# KiCad board DFTBoard.kicad_pcb
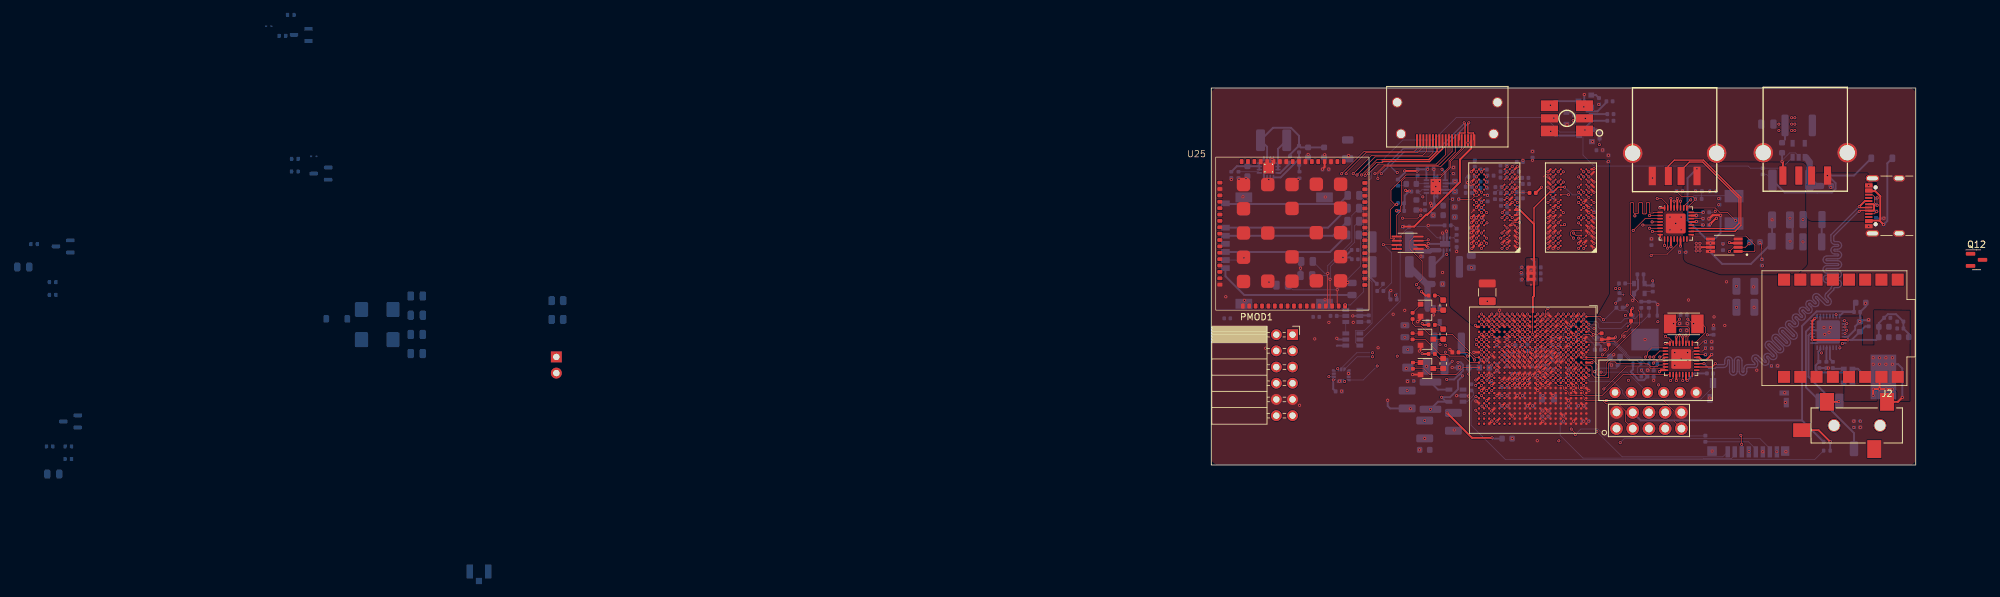
[diagram p0: board, top side]
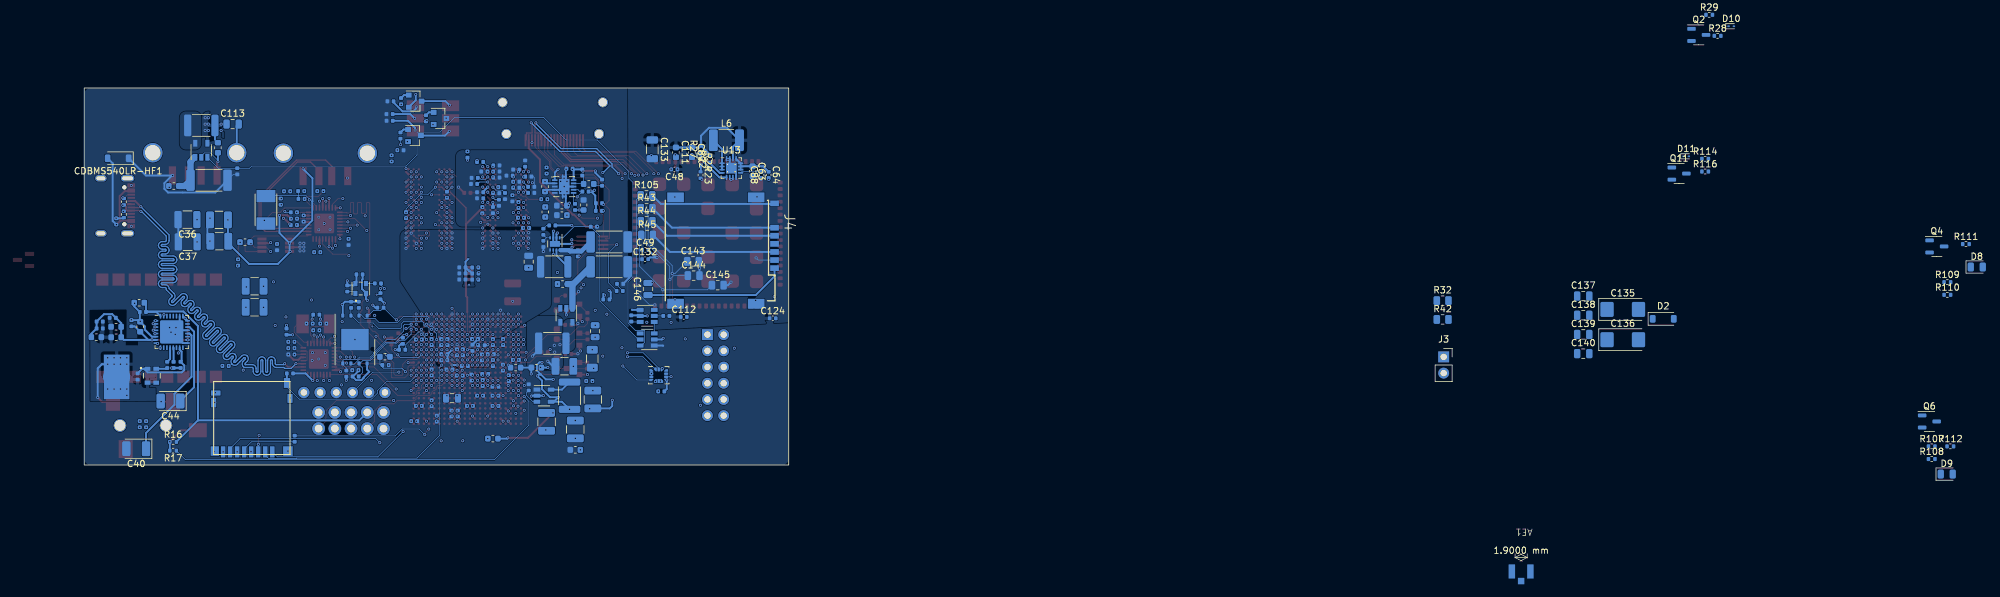
[diagram p1: board, bottom side, seen from below]

Outline 110.29 x 59.12 mm; copper layers: TOP_GND (plane), GND0 (plane), SIGNAL1, GND1 (plane), SIGNAL2, GND2, SIGNAL4, BOTTOM (plane). Coordinates in mm from the lower left corner of the outline.
Outline path: rectangle 0,59.12 110.29,0
Stack: TOP_GND 0.035mm / dielectric 0.1857mm FR4 er 4.5 / GND0 0.035mm / dielectric 0.1857mm FR4 er 4.5 / SIGNAL1 0.035mm / dielectric 0.1857mm FR4 er 4.5 / GND1 0.035mm / dielectric 0.1857mm FR4 er 4.5 / SIGNAL2 0.035mm / dielectric 0.1857mm FR4 er 4.5 / GND2 0.035mm / dielectric 0.1857mm FR4 er 4.5 / SIGNAL4 0.035mm / dielectric 0.1857mm FR4 er 4.5 / BOTTOM 0.035mm

## Placement (name value [footprint] x y rotation side)
AE1  gsm  [IPEX]  -114.72 -13.1 180 bottom
C1  .47uF  [C_0402_1005Metric]  24.65 22.98 90 bottom
C2  10uF  [C_0603_1608Metric]  33.41 2.38 180 bottom
C3  10uF  [C_0603_1608Metric]  96.26 43.75 0 bottom
C4  .47uF  [C_0402_1005Metric]  46.31 19.27 90 bottom
C5  4.7uF  [C_0402_1005Metric]  47.51 14.27 0 bottom
C6  100uF  [C_1210_3225Metric]  35.11 15.47 180 bottom
C7  47uF  [C_0805_2012Metric]  40.71 31.88 270 bottom
C8  .47uF  [C_0402_1005Metric]  49.66 13.72 90 bottom
C9  4.7uF  [C_0402_1005Metric]  47.91 12.88 270 bottom
C10  10uF  [C_0603_1608Metric]  89.36 49.75 270 bottom
C11  10uF  [C_0603_1608Metric]  46.31 4.14 0 bottom
C12  100uF  [C_1210_3225Metric]  33.41 5.57 270 bottom
C13  10uF  [C_0603_1608Metric]  35.41 28.38 0 bottom
C14  .47uF  [C_0402_1005Metric]  48.03 16.88 270 bottom
C15  .47uF  [C_0402_1005Metric]  51.96 17.67 90 bottom
C17  .47uF  [C_0402_1005Metric]  50.71 15.52 0 bottom
C18  .47uF  [C_0402_1005Metric]  46.63 17.38 0 bottom
C19  4.7uF  [C_0402_1005Metric]  45.91 10.88 0 bottom
C20  4.7uF  [C_0402_1005Metric]  51.51 14.02 0 bottom
C22  330uF  [C_1206_3216Metric]  30.76 16.67 270 bottom
C23  .47uF  [C_0402_1005Metric]  53.11 14.97 0 bottom
C24  4.7uF  [C_0402_1005Metric]  43.81 13.6 90 bottom
C25  100uF  [C_1210_3225Metric]  30.66 10.27 270 bottom
C26  10uF  [C_0603_1608Metric]  39.51 15.27 180 bottom
C27  4.7uF  [C_0402_1005Metric]  31.21 13.17 180 bottom
C28  100uF  [C_1210_3225Metric]  37.91 6.77 270 bottom
C29  .47uF  [C_0402_1005Metric]  53.91 16.42 0 bottom
C30  .47uF  [C_0402_1005Metric]  53.91 17.38 0 bottom
C31  .47uF  [C_0402_1005Metric]  51.01 17.67 270 bottom
C32  47uF  [C_0805_2012Metric]  30.31 20.97 90 bottom
C33  10uF  [C_0603_1608Metric]  63.21 16.97 180 bottom
C34  .47uF  [C_0402_1005Metric]  63.11 15.67 180 bottom
C35  2.2uF  [C_0402_1005Metric]  95.2 15.7 90 bottom
C36  100uF  [C_1210_3225Metric#2]  94.13 38.48 0 bottom
C37  100uF  [C_1210_3225Metric#2]  94.09 34.99 0 bottom
C38  1uF  [C_0402_1005Metric]  97.31 15.69 270 bottom
C39  .1uF  [C_0402_1005Metric]  102.9 22.22 270 bottom
C40  220uF Tant.  [CP_EIA-3528-12_Kemet-T]  102.16 2.55 0 bottom
C41  10uF  [C_0603_1608Metric]  101.53 21.68 270 bottom
C42  4.7uF  [C_0402_1005Metric]  101.94 13.89 270 bottom
C43  1uF  [C_0402_1005Metric]  60.78 49.36 0 bottom
C44  220uF Tant.  [CP_EIA-3528-12_Kemet-T]  96.79 10.03 0 bottom
C45  1uF  [C_0402_1005Metric]  96.31 15.69 90 bottom
C46  .47uF  [C_0402_1005Metric]  57.91 9.27 0 bottom
C47  .47uF  [C_0402_1005Metric]  58.61 6.88 180 bottom
C48  .47uF  [C_0402_1005Metric]  17.9 46.35 0 bottom
C49  .47uF  [C_0402_1005Metric]  22.45 33.72 180 bottom
C50  .47uF  [C_0402_1005Metric]  45.91 9.27 0 bottom
C51  10uF  [C_0603_1608Metric]  101.68 25.45 0 bottom
C52  .1uF  [C_0402_1005Metric]  107.87 21.41 0 bottom
C53  .1uF  [C_0402_1005Metric]  101.11 24 0 bottom
C54  10uF  [C_0603_1608Metric]  105.3 21.67 180 bottom
C55  .47uF  [C_0402_1005Metric]  52.81 8.07 90 bottom
C56  .1uF  [C_0402_1005Metric]  105.83 23.08 180 bottom
C57  4.7uF  [C_0402_1005Metric]  49.91 9.27 180 bottom
C58  10uF  [C_0603_1608Metric]  105.29 20.03 180 bottom
C59  4.7uF  [C_0402_1005Metric]  55.91 14.52 90 bottom
C60  10uF  [C_0603_1608Metric]  108.4 20.05 180 bottom
C61  47uF  [C_0805_2012Metric]  52.71 10.47 0 bottom
C62  .1uF  [C_0402_1005Metric]  107.87 22.49 180 bottom
C63  10uF  [C_0603_1608Metric]  5.66 46.07 270 bottom
C64  .1uF  [C_0402_1005Metric]  3.13 45.5 270 bottom
C65  .47uF  [C_0402_1005Metric]  48.31 10.88 180 bottom
C66  4.7uF  [C_0402_1005Metric]  28.55 25.96 180 bottom
C67  100uF  [C_1210_3225Metric]  83.62 24.73 0 bottom
C68  .1uF  [C_0402_1005Metric]  78.53 42.92 0 bottom
C69  2.2uF  [C_0402_1005Metric]  77.46 37.62 180 bottom
C70  .1uF  [C_0402_1005Metric]  88.16 15.54 0 bottom
C71  .1uF  [C_0402_1005Metric]  73.81 33.37 0 bottom
C72  .1uF  [C_0402_1005Metric]  80.11 34.17 90 bottom
C73  100uF  [C_1210_3225Metric]  89.14 35.09 180 bottom
C74  100uF  [C_1210_3225Metric]  89.19 38.44 180 bottom
C75  18pF  [C_0402_1005Metric]  76.33 42.95 0 bottom
C76  18pF  [C_0402_1005Metric]  73.32 42.95 180 bottom
C77  .1uF  [C_0402_1005Metric]  68.91 34.97 90 bottom
C78  .47uF  [C_0402_1005Metric]  79.54 41.29 90 bottom
C79  .1uF  [C_0402_1005Metric]  67.84 14.88 0 bottom
C80  2.2uF  [C_0402_1005Metric]  77.86 18.32 180 bottom
C81  .1uF  [C_0402_1005Metric]  100.6 6.4 90 bottom
C82  .1uF  [C_0402_1005Metric]  78.62 20.91 90 bottom
C83  4.7uF  [C_0402_1005Metric]  105.27 38.19 270 bottom
C84  18pF  [C_0402_1005Metric]  72.86 22.17 180 bottom
C85  18pF  [C_0402_1005Metric]  75.01 22.17 0 bottom
C86  .1uF  [C_0402_1005Metric]  75.94 38.65 90 bottom
C87  .47uF  [C_0402_1005Metric]  73.96 21.12 0 bottom
C88  .1uF  [C_0402_1005Metric]  4.25 45.5 90 bottom
C89  10uF  [C_0603_1608Metric]  15.15 49.02 270 bottom
C93  .01uF  [C_0402_1005Metric]  47.96 39.97 270 bottom
C94  .1uF  [C_0402_1005Metric]  51.09 29.09 180 bottom
C95  .1uF  [C_0402_1005Metric]  49.06 29.07 180 bottom
C96  .1uF  [C_0402_1005Metric]  51.09 30.99 180 bottom
C97  .1uF  [C_0402_1005Metric]  49.06 30.97 180 bottom
C98  .01uF  [C_0402_1005Metric]  59.91 39.17 270 bottom
C99  100uF  [C_1210_3225Metric]  43.21 27.07 270 top
C100  4.7uF  [C_0402_1005Metric]  54.41 19.27 270 bottom
C101  .47uF  [C_0402_1005Metric]  49.11 19.77 0 bottom
C102  .47uF  [C_0402_1005Metric]  41.11 37.17 0 bottom
C103  .47uF  [C_0402_1005Metric]  37.91 46.17 270 bottom
C104  .47uF  [C_0402_1005Metric]  41.91 38.77 180 bottom
C105  .01uF  [C_0402_1005Metric]  53.41 19.27 90 bottom
C106  .01uF  [C_0402_1005Metric]  48.11 18.77 180 bottom
C107  .1uF  [C_0402_1005Metric]  19.95 11.54 0 bottom
C108  .47uF  [C_0402_1005Metric]  33.01 33.17 270 bottom
C109  .01uF  [C_0402_1005Metric]  62.17 48.07 90 bottom
C110  .01uF  [C_0402_1005Metric]  50.29 48.68 90 bottom
C111  10uF  [C_0603_1608Metric]  17.66 49.02 270 bottom
C112  .47uF  [C_0402_1005Metric]  16.43 23.22 180 bottom
C113  47uF  [C_0805_2012Metric#2]  87.06 53.46 180 bottom
C114  4.7uF  [C_0402_1005Metric]  55.91 9.67 90 bottom
C115  4.7uF  [C_0402_1005Metric]  101.6 6.4 270 bottom
C116  .47uF  [C_0402_1005Metric]  44.76 15.27 270 bottom
C117  .47uF  [C_0402_1005Metric]  44.71 19.27 90 bottom
C118  .47uF  [C_0402_1005Metric]  42.71 16.47 0 bottom
C119  .47uF  [C_0402_1005Metric]  55.11 7.27 90 bottom
C120  .01uF  [C_0402_1005Metric]  67.19 29.89 180 bottom
C121  .47uF  [C_0402_1005Metric]  51.81 8.07 90 bottom
C122  4.7uF  [C_0402_1005Metric]  57.91 19.67 0 bottom
C123  100uF  [C_1210_3225Metric]  83.62 28.03 0 bottom
C124  4.7uF  [C_0402_1005Metric]  2.5 23 180 bottom
C125  10uF  [C_0603_1608Metric]  38.15 43.66 270 bottom
C126  10uF  [C_0603_1608Metric]  38.11 39.67 270 bottom
C127  4.7uF  [C_0402_1005Metric]  34.31 46.47 180 bottom
C128  10uF  [C_0603_1608Metric]  35.51 40.67 180 bottom
C129  10uF  [C_0603_1608Metric]  32.11 40.77 270 bottom
C130  10uF  [C_0603_1608Metric]  35.51 39.17 180 bottom
C131  .1uF  [C_0402_1005Metric]  33.45 40.46 270 bottom
C132  4.7uF  [C_0402_1005Metric]  22.48 32.27 180 bottom
C133  330uF  [C_1206_3216Metric#2]  21.35 49.5 270 bottom
C135  100uF  [CP_EIA-6032-15_Kemet-U]  -130.59 24.4 180 bottom
C136  100uF  [CP_EIA-6032-15_Kemet-U]  -130.59 19.65 180 bottom
C137  10uF  [C_0805_2012Metric#2]  -124.39 26.49 180 bottom
C138  100nF  [C_0805_2012Metric#2]  -124.39 23.48 180 bottom
C139  33pF  [C_0805_2012Metric#2]  -124.39 20.47 180 bottom
C140  10pF  [C_0805_2012Metric#2]  -124.39 17.46 180 bottom
C143  22pF  [R_0805_2012Metric]  14.98 31.92 180 bottom
C144  22pF  [R_0805_2012Metric]  14.88 29.7 180 bottom
C145  22pF  [R_0805_2012Metric]  11.11 28.2 180 bottom
C146  100nF  [C_0805_2012Metric#2]  22.03 27.6 90 bottom
CDBMS540LR-HF1  CDBMS540LR-HF  [D_SOD-123]  104.98 48.1 0 bottom
CON1  AVR-JTAG-10  [XilinxJTAG]  68.52 6.98 270 top
D1  LED_RGB  [PLCC6-SM-RGB-LED]  55.69 54.36 180 top
D2  5.1V  [D_SOD-123]  -136.92 22.92 180 bottom
D3  BLUE LED  [C_0603_1608Metric]  85.12 34.94 0 bottom
D4  BLUE LED  [C_0603_1608Metric]  36.31 15.92 90 top
D5  BLUE LED  [C_0603_1608Metric]  36.31 20.52 90 top
D6  BLUE LED  [C_0603_1608Metric]  36.31 25.07 90 top
D7  BLUE LED  [C_0603_1608Metric]  31.31 44.07 180 bottom
D8  blue  [LED_0805_2012Metric]  -186.01 31.05 180 bottom
D9  blue  [LED_0805_2012Metric]  -181.31 -1.43 180 bottom
D10  ESD9B5.0ST5G  [D_SOD-923]  -147.57 68.8 180 bottom
D11  ESD9B5.0ST5G  [D_SOD-923]  -140.51 48.4 180 bottom
FB1  120R, 100 MHz, size 0603  [C_0603_1608Metric]  42.76 15.27 180 bottom
GT1  GNDTIE  [gndtie]  105.22 13.81 90 bottom
J1  USB_A  [USB-A-Receptacle-FCI_87583]  92.99 46.83 180 top
J2  JACK_TRS_4PINS  [SJ-352X-SMT]  105.8 6.2 180 top
J3  Conn_01x02_Male  [PinSocket_1x02_P2.54mm_Vertical]  -102.54 16.95 180 bottom
J4  SIM7100-6-1-15-00-A_REVC  [GCT_SIM7100-6-1-15-00-A_REVC]  10.43 33.62 270 bottom
J6  USB_A  [USB-A-Receptacle-FCI_87583]  72.54 46.76 180 top
J8  Micro_SD_Card_Det  [AMPHENOL-114-00841-68]  84.05 7.11 180 bottom
Je1  HDMI_A  [10029449-111RLF]  36.95 56.87 180 top
L1  2.2uH  [C_1812_4532Metric]  36.71 31.07 0 bottom
L2  2.2uH  [C_1812_4532Metric]  91.96 53.25 180 bottom
L3  2.2uH  [C_1812_4532Metric]  34.31 10.88 270 bottom
L4  2.2uH  [C_1812_4532Metric]  37.01 19.07 0 bottom
L6  2.2uH  [C_1812_4532Metric#2]  9.75 50.92 180 bottom
MIC1  MEMSMIC  [MIC_SPW2430HR5H-B]  99.7 14 180 bottom
PMOD1  PMOD-Host-x2-GPIO  [PinSocket_2x06_P2.54mm_Horizontal]  12.72 20.44 0 top
Q1  IRLML2502  [SOT-23]  58.59 51.66 180 bottom
Q2  MMBTA14-7-F  [SOT-23-3]  -142.48 67.45 180 bottom
Q3  IRLML2502  [SOT-23]  54.59 54.36 180 bottom
Q4  MMBTA14-7-F  [SOT-23-3]  -179.76 34.27 180 bottom
Q5  IRLML2502  [SOT-23]  58.49 57.06 180 bottom
Q6  MMBTA14-7-F  [SOT-23-3]  -178.59 6.82 180 bottom
Q8  IRLML2502  [SOT-23]  33.76 15.12 0 top
Q9  IRLML2502  [SOT-23]  33.76 19.72 0 top
Q10  IRLML2502  [SOT-23]  33.76 24.27 0 top
Q11  MMBTA14-7-F  [SOT-23-3]  -139.41 45.7 180 bottom
Q12  DMP1045UQ-7  [SOT-23#2]  119.81 32.17 0 top
R1  100k  [R_0402_1005Metric]  40.71 12.17 270 bottom
R2  100k  [R_0402_1005Metric]  19.15 23.38 0 bottom
R3  100k  [R_0402_1005Metric]  86.33 46.06 90 bottom
R4  100k  [R_0402_1005Metric]  30.51 37.37 0 bottom
R5  100k  [R_0402_1005Metric]  61.11 20.17 90 top
R6  10k  [R_0402_1005Metric]  38.41 34.67 270 bottom
R7  240 1%  [R_0402_1005Metric]  38.41 36.57 90 bottom
R8  4.7k  [R_0402_1005Metric]  37.01 37.57 180 bottom
R9  4.7k  [R_0402_1005Metric]  46.31 15.97 90 bottom
R10  4.7k  [R_0402_1005Metric]  45.91 12.27 180 bottom
R11  100  [R_0402_1005Metric]  60.78 51.66 270 bottom
R12  4.7k  [R_0402_1005Metric#2]  104.09 39.29 270 bottom
R13  100  [R_0402_1005Metric]  56.78 54.36 270 bottom
R14  4.7k  [R_0402_1005Metric#2]  104.07 41.29 90 bottom
R15  100  [R_0402_1005Metric]  60.69 57.06 270 bottom
R16  100k  [R_0402_1005Metric#2]  96.38 3.62 180 bottom
R17  49.9k  [R_0402_1005Metric#2]  96.38 2.25 0 bottom
R19  100  [R_0402_1005Metric]  62.48 53.98 180 bottom
R20  100  [R_0402_1005Metric]  62.49 55.03 180 bottom
R21  150  [R_0402_1005Metric]  62.34 57.03 180 bottom
R22  100k  [R_0402_1005Metric#2]  12.33 47.95 90 bottom
R23  20k  [R_0402_1005Metric#2]  13.81 45.47 270 bottom
R24  4.7k  [R_0402_1005Metric#2]  13.75 47.55 270 bottom
R25  20k  [R_0402_1005Metric]  31.81 42.87 0 bottom
R26  47  [R_0402_1005Metric]  77.35 4.12 270 bottom
R27  100k  [R_0402_1005Metric#2]  13.73 49.57 90 bottom
R28  4.7k  [R_0402_1005Metric#2]  -145.43 67.3 180 bottom
R29  49.9k  [R_0402_1005Metric#2]  -144.12 70.6 180 bottom
R32  22R  [R_0805_2012Metric]  -102.38 25.77 180 bottom
R33  10k  [R_0402_1005Metric]  62.21 19.38 90 top
R34  100k  [R_0402_1005Metric]  26.46 27.29 180 bottom
R35  150  [R_0402_1005Metric]  86.2 31.77 270 bottom
R36  10k  [R_0402_1005Metric]  77.46 38.62 0 bottom
R37  1M  [R_0402_1005Metric]  76.28 41.72 180 bottom
R38  8.06k 1%  [R_0402_1005Metric]  77.46 39.62 0 bottom
R39  10k  [R_0402_1005Metric]  77.86 17.32 0 bottom
R40  1M  [R_0402_1005Metric]  73.96 23.57 0 bottom
R41  8.06k 1%  [R_0402_1005Metric]  77.86 19.32 0 bottom
R42  22R  [R_0805_2012Metric]  -102.38 22.82 180 bottom
R43  22R  [R_0805_2012Metric]  22.24 40.27 180 bottom
R44  22R  [R_0805_2012Metric]  22.24 38.22 180 bottom
R45  22R  [R_0805_2012Metric]  22.17 36.07 180 bottom
R46  240 1%  [R_0402_1005Metric]  38.26 41.67 180 bottom
R47  10k 1%  [R_0402_1005Metric]  51.09 30.05 180 bottom
R48  10k 1%  [R_0402_1005Metric]  49.06 30.03 180 bottom
R49  240 1%  [R_0402_1005Metric]  53.51 42.37 90 bottom
R50  80.6 1%  [R_0402_1005Metric]  42.31 40.77 90 bottom
R51  40.2 1%  [R_0402_1005Metric]  44.96 43.57 180 bottom
R52  40.2 1%  [R_0402_1005Metric]  42.66 44.42 180 bottom
R53  40.2 1%  [R_0402_1005Metric]  45.76 45.07 180 bottom
R54  40.2 1%  [R_0402_1005Metric]  49.26 44.07 0 bottom
R55  40.2 1%  [R_0402_1005Metric]  40.31 43.62 180 bottom
R56  40.2 1%  [R_0402_1005Metric]  49.16 45.02 0 bottom
R57  40.2 1%  [R_0402_1005Metric]  40.76 45.22 180 bottom
R58  40.2 1%  [R_0402_1005Metric]  47.66 46.02 0 bottom
R59  40.2 1%  [R_0402_1005Metric]  41.26 47.27 90 bottom
R60  40.2 1%  [R_0402_1005Metric]  45.76 46.02 180 bottom
R61  40.2 1%  [R_0402_1005Metric]  43.26 41.82 270 bottom
R62  40.2 1%  [R_0402_1005Metric]  43.71 45.37 0 bottom
R63  40.2 1%  [R_0402_1005Metric]  42.66 43.47 180 bottom
R64  40.2 1%  [R_0402_1005Metric]  45.76 46.97 180 bottom
R65  40.2 1%  [R_0402_1005Metric]  42.66 46.32 0 bottom
R66  40.2 1%  [R_0402_1005Metric]  48.31 42.77 0 bottom
R67  40.2 1%  [R_0402_1005Metric]  40.31 42.67 180 bottom
R68  40.2 1%  [R_0402_1005Metric]  44.41 42.17 270 bottom
R69  40.2 1%  [R_0402_1005Metric]  46.31 39.97 270 bottom
R70  40.2 1%  [R_0402_1005Metric]  45.36 41.12 270 bottom
R71  40.2 1%  [R_0402_1005Metric]  45.81 42.62 180 bottom
R72  40.2 1%  [R_0402_1005Metric]  48.31 41.82 0 bottom
R73  40.2 1%  [R_0402_1005Metric]  50.31 42.67 0 top
R74  4.7k  [R_0402_1005Metric]  48.31 47.52 0 bottom
R75  80.6 1%  [R_0402_1005Metric]  49.51 18.38 90 bottom
R76  80.6 1%  [R_0402_1005Metric]  38.21 17.67 180 top
R77  1k  [R_0402_1005Metric]  31.56 15.57 270 top
R78  150  [R_0402_1005Metric]  34.51 17.42 0 top
R79  1k  [R_0402_1005Metric]  31.51 20.17 270 top
R80  150  [R_0402_1005Metric]  34.51 21.97 180 top
R81  100k  [R_0402_1005Metric]  26.4 28.41 180 bottom
R82  4.7k  [R_0402_1005Metric]  29.72 39.85 180 bottom
R83  4.7k  [R_0402_1005Metric]  29.7 41.05 180 bottom
R85  1k  [R_0402_1005Metric]  31.51 23.38 270 top
R86  150  [R_0402_1005Metric]  34.51 26.57 180 top
R88  .05  [R_2512_6332Metric]  90.76 44.65 0 bottom
R89  .05  [R_2512_6332Metric]  28.11 34.97 0 bottom
R90  .05  [R_2512_6332Metric]  28.11 31.07 0 bottom
R91  20k  [R_0402_1005Metric]  60.41 19.47 270 bottom
R92  20k  [R_0402_1005Metric]  69.26 14.32 270 bottom
R93  20k  [R_0402_1005Metric]  68.51 25.12 90 bottom
R94  20k  [R_0402_1005Metric]  67.31 25.12 90 bottom
R95  20k  [R_0402_1005Metric]  67.81 13.88 0 bottom
R96  20k  [R_0402_1005Metric]  60.51 18.07 0 bottom
R97  20k  [R_0402_1005Metric]  55.91 19.27 270 bottom
R98  4.7k  [R_0402_1005Metric]  69.11 27.67 90 bottom
R99  47k  [R_0402_1005Metric]  78.09 14.36 0 bottom
R100  24.9 1%  [R_0402_1005Metric]  64.31 28.47 0 bottom
R101  100k  [R_0402_1005Metric]  32.31 45.87 270 bottom
R102  150  [R_0402_1005Metric]  29.21 44.27 90 bottom
R103  4.7k  [R_0402_1005Metric]  63.91 26.47 90 bottom
R104  4.7k  [R_0402_1005Metric]  65.71 23.07 270 top
R105  22R  [R_0805_2012Metric]  22.27 42.27 180 bottom
R106  20k  [R_0402_1005Metric]  63.91 24.67 0 bottom
R107  4.7k  [R_0402_1005Metric#2]  -178.95 2.92 180 bottom
R108  49.9k  [R_0402_1005Metric#2]  -178.95 0.94 180 bottom
R109  4.7k  [R_0402_1005Metric#2]  -181.41 28.67 180 bottom
R110  49.9k  [R_0402_1005Metric#2]  -181.41 26.69 180 bottom
R111  4.7k  [R_0402_1005Metric#2]  -184.31 34.64 180 bottom
R112  4.7k  [R_0402_1005Metric#2]  -181.87 2.92 180 bottom
R114  4.7k  [R_0402_1005Metric#2]  -143.48 48.01 180 bottom
R116  49.9k  [R_0402_1005Metric#2]  -143.48 46.02 180 bottom
U1  LM3880  [SOT-23-6]  22.15 23.38 180 bottom
U2  LM3880  [SOT-23-6]  22.15 19.68 0 bottom
U3  SC189 - 1.0V  [SOT-23-5]  38.31 10.88 180 bottom
U4  SC189 - 3.3V  [SOT-23-5]  91.96 49.35 90 bottom
U5  TLV62080DSGx  [WSON-8-1EP_2x2mm_P0.5mm_EP0.9x1.6mm]  36.61 34.67 270 bottom
U7  SC189 - 1.8V  [SOT-23-5]  34.81 23.47 270 bottom
U8  TPS51200DRCR  [VSON-10-1EP_3x3mm_P0.5mm_EP1.65x2.4mm_ThermalVias]  35.15 43.66 180 bottom
U9  TLV320AIC3104  [QFN-32-1EP_5x5mm_P0.5mm_EP3.65x3.65mm]  96.6 20.87 180 bottom
U10  USB3320  [QFN-32-1EP_5x5mm_P0.5mm_EP3.1x3.1mm]  72.71 37.87 0 top
U11  MIC2025-1YMM  [SOP65P490X110-8N]  80.31 34.47 180 top
U12  USB3320  [QFN-32-1EP_5x5mm_P0.5mm_EP3.1x3.1mm]  73.56 16.62 0 top
U13  TPS62132  [VQFN-16-1EP_3x3mm_P0.5mm_EP1.68x1.68mm_ThermalVias]  8.98 46.56 180 bottom
U15  MT41K256M16TW-107:P  [FBGA-96-DDR3-SDRAM]  44.31 40.37 180 top
U16  MT41K256M16TW-107:P  [FBGA-96-DDR3-SDRAM]  56.31 40.37 180 top
U17  FTDITypeUART  [FTDI_CONN]  69.56 11.38 90 top
U18  ABRACON-ASDMB  [XTAL_ASDMB-24.000MHZ-LC-T]  67.01 27.67 90 bottom
U19  S25FL256SAGNFI001  [WSON-8-1EP_8x6mm_P1.27mm_EP3.4x4.3mm]  67.91 19.67 270 bottom
U20  xc7z020clg484  [BGA-484_19.0x19.0mm_Layout22x22_P0.80mm_dia0.40mm]  50.31 14.88 270 top
U21  PCA9306  [SSOP-8_2.95x2.8mm_P0.65mm]  30.74 34.85 180 top
U23  LSM6DSLTR  [LGA-14_3x2.5mm_P0.5mm_LayoutBorder3x4y]  20.35 14.08 180 bottom
U24  ESP32-C3_SUPERMINI  [MODULE_ESP32-C3_SUPERMINI]  97.56 21.45 270 top
U25  SIM_COM_A7670  [A7670C]  -2.31 48.28 0 top
USB_C_ESP1  USB_C_1  [USB_C_Receptacle_GCT_USB4105-xx-A_16P_TopMnt_Horizontal]  106.61 40.64 90 top
Y1  24.000MHZ  [XTAL500X320X130N]  81.84 40.01 270 bottom
Y2  24.000MHZ  [XTAL500X320X130N]  73.96 22.12 0 top

## Library data of the parts
AE1 = -: Description: Antenna with extra pin for shielding
C1 C4 C8 C14 C15 C17 C18 C23 C29-C31 C34 C46-C50 C55 C65 C78 C87 C101-C104 C108 C112 C116-C119 C121 = -: Description: Unpolarized capacitor, small symbol; MFR: Yageo; MPN: CC0402KRX5R5BB474; SPN: 311-1684-1-ND; SPR: Digikey
C2 C3 C10 C11 C13 C26 C33 C63 C89 C111 C125 C126 C128-C130 = -: Description: Unpolarized capacitor, small symbol; MFR: Murata; MPN: GRM188R61A106KE69J; SPN: 490-14372-1-ND; SPR: Digikey
C5 C9 C19 C20 C24 C27 C42 C57 C59 C66 C83 C100 C114 C115 C122 C124 C127 C132 = -: Description: Unpolarized capacitor, small symbol; MFR: Murata; MPN: GRM155R60G475ME47D; SPN: 490-11980-1-ND; SPR: Digikey
C6 C12 C25 C28 C36 C37 C67 C73 C74 C99 C123 = -: Description: Unpolarized capacitor, small symbol; MFR: TAIYO YUDEN; MPN: JMK325ABJ107MM-P; SPN: 587-4313-1-ND; SPR: Digikey
C7 C113 = -: Description: Unpolarized capacitor, small symbol; MFR: Murata; MPN: GRM219R60J476ME44D; SPN: 490-13249-1-ND; SPR: Digikey; SPURL: -
C22 C133 = -: Description: Unpolarized capacitor, small symbol; MFR: AVX Corporation; MPN: F950G337MAAAQ2; SPN: 478-8378-1-ND; SPR: Digikey; SPURL: -
C32 C61 = -: Description: Unpolarized capacitor, small symbol; MFR: Murata; MPN: GRM219R60J476ME44D; SPN: 490-13249-1-ND; SPR: Digikey
C35 C69 C80 = -: Description: Unpolarized capacitor; MFR: Murata; MPN: GRM155R61A225KE95D; SPN: 490-10451-1-ND; SPR: Digikey
C38 C43 C45 = -: Description: Unpolarized capacitor; MFR: Yageo; MPN: CC0402KRX5R6BB105; SPN: 311-1439-1-ND; SPR: Digikey
C39 C52 C53 C56 C62 C68 C70-C72 C77 C79 C81 C82 C86 = -: Description: Unpolarized capacitor; MFR: Yageo; MPN: CC0402KRX7R6BB104; SPN: 311-1345-1-ND; SPR: Digikey
C40 C44 = -: MFR: AVX Corporation; MPN: F930G227KBA; SPN: 478-8139-1-ND; SPR: Digikey
C41 C51 C54 C58 C60 = -: Description: Unpolarized capacitor; MFR: Murata; MPN: GRM188R61A106KE69J; SPN: 490-14372-1-ND; SPR: Digikey
C64 C88 C94-C97 C107 C131 = -: Description: Unpolarized capacitor, small symbol; MFR: Yageo; MPN: CC0402KRX7R6BB104; SPN: 311-1345-1-ND; SPR: Digikey
C75 C76 C84 C85 = -: Description: Unpolarized capacitor, small symbol; MFR: Murata; MPN: GCM1555C1H180JA16D; SPN: 490-12650-1-ND; SPR: Digikey; SPURL: -
C93 C98 C105 C106 C109 C110 C120 = -: Description: Unpolarized capacitor, small symbol; MFR: Murata; MPN: GRM155R71H103KA88J; SPN: 490-6351-1-ND; SPR: Digikey; SPURL: -
C135 C136 = -: Desc: SMD Tantalum Capacitor; Link: http://www.tme.vn/Products.aspx?cateId=258
C137-C140 C143-C146 = -: Desc: Capacitor SMD Ceramic 0805; Link: http://www.dientuachau.com/ceramic-0805
CDBMS540LR-HF1 = -: Description: Diode; Digikey: https://www.digikey.com/en/products/detail/comchip-technology/CDBMS540LR-HF/19295467?s=N4IgjCBcoJxgLFUBjKAzAhgGwM4FMAaEAeygG0QAmeAdhoAYA2EAXSIAcAXKEAZU4BOASwB2AcxABfSUUrkQAHU4ACACIBJAPKqAost4BhABKaAKqYDSATX3awlAMwAxADKtJQA
CON1 = -: MFR: DNS
D1 = -: MFR: Cree, Inc.; MPN: CLP6C-FKB-CM1Q1H1BB7R3R3; SPN: CLP6C-FKB-CM1Q1H1BB7R3R3CT-ND; SPR: Digikey
D2 = -: Description: 500mW Zener Diode, 6%, MicroMELF
D3-D7 = -: MFR: Vishay Semiconductors; MPN: VLMB1300-GS08; SPN: VLMB1300-GS08CT-ND; SPR: Digikey
D8 D9 = -: Desc: LED0805; Link: https://thegioiic.com/product/led-dan-smd-2012-0805
D10 D11 = -: Description: ESD protection diode, 5.0Vrwm, SOD-923
FB1 = -: MFR: Murata Electronics; MPN: BLM18AG121SN1D; SPN: 490-1011-1-ND; SPR: Digikey; SPURL: -
GT1 U17 = -: MFR: DNS; MPN: -; SPN: -; SPR: -; SPURL: -
J1 J6 = -: MFR: Amphenol ICC; MPN: 87583-2010RLF; SPN: 609-5390-1-ND; SPR: Digikey; SPURL: -